# Altium PCB AUAV_X05.PcbDoc (part 1 of 5) (continued)
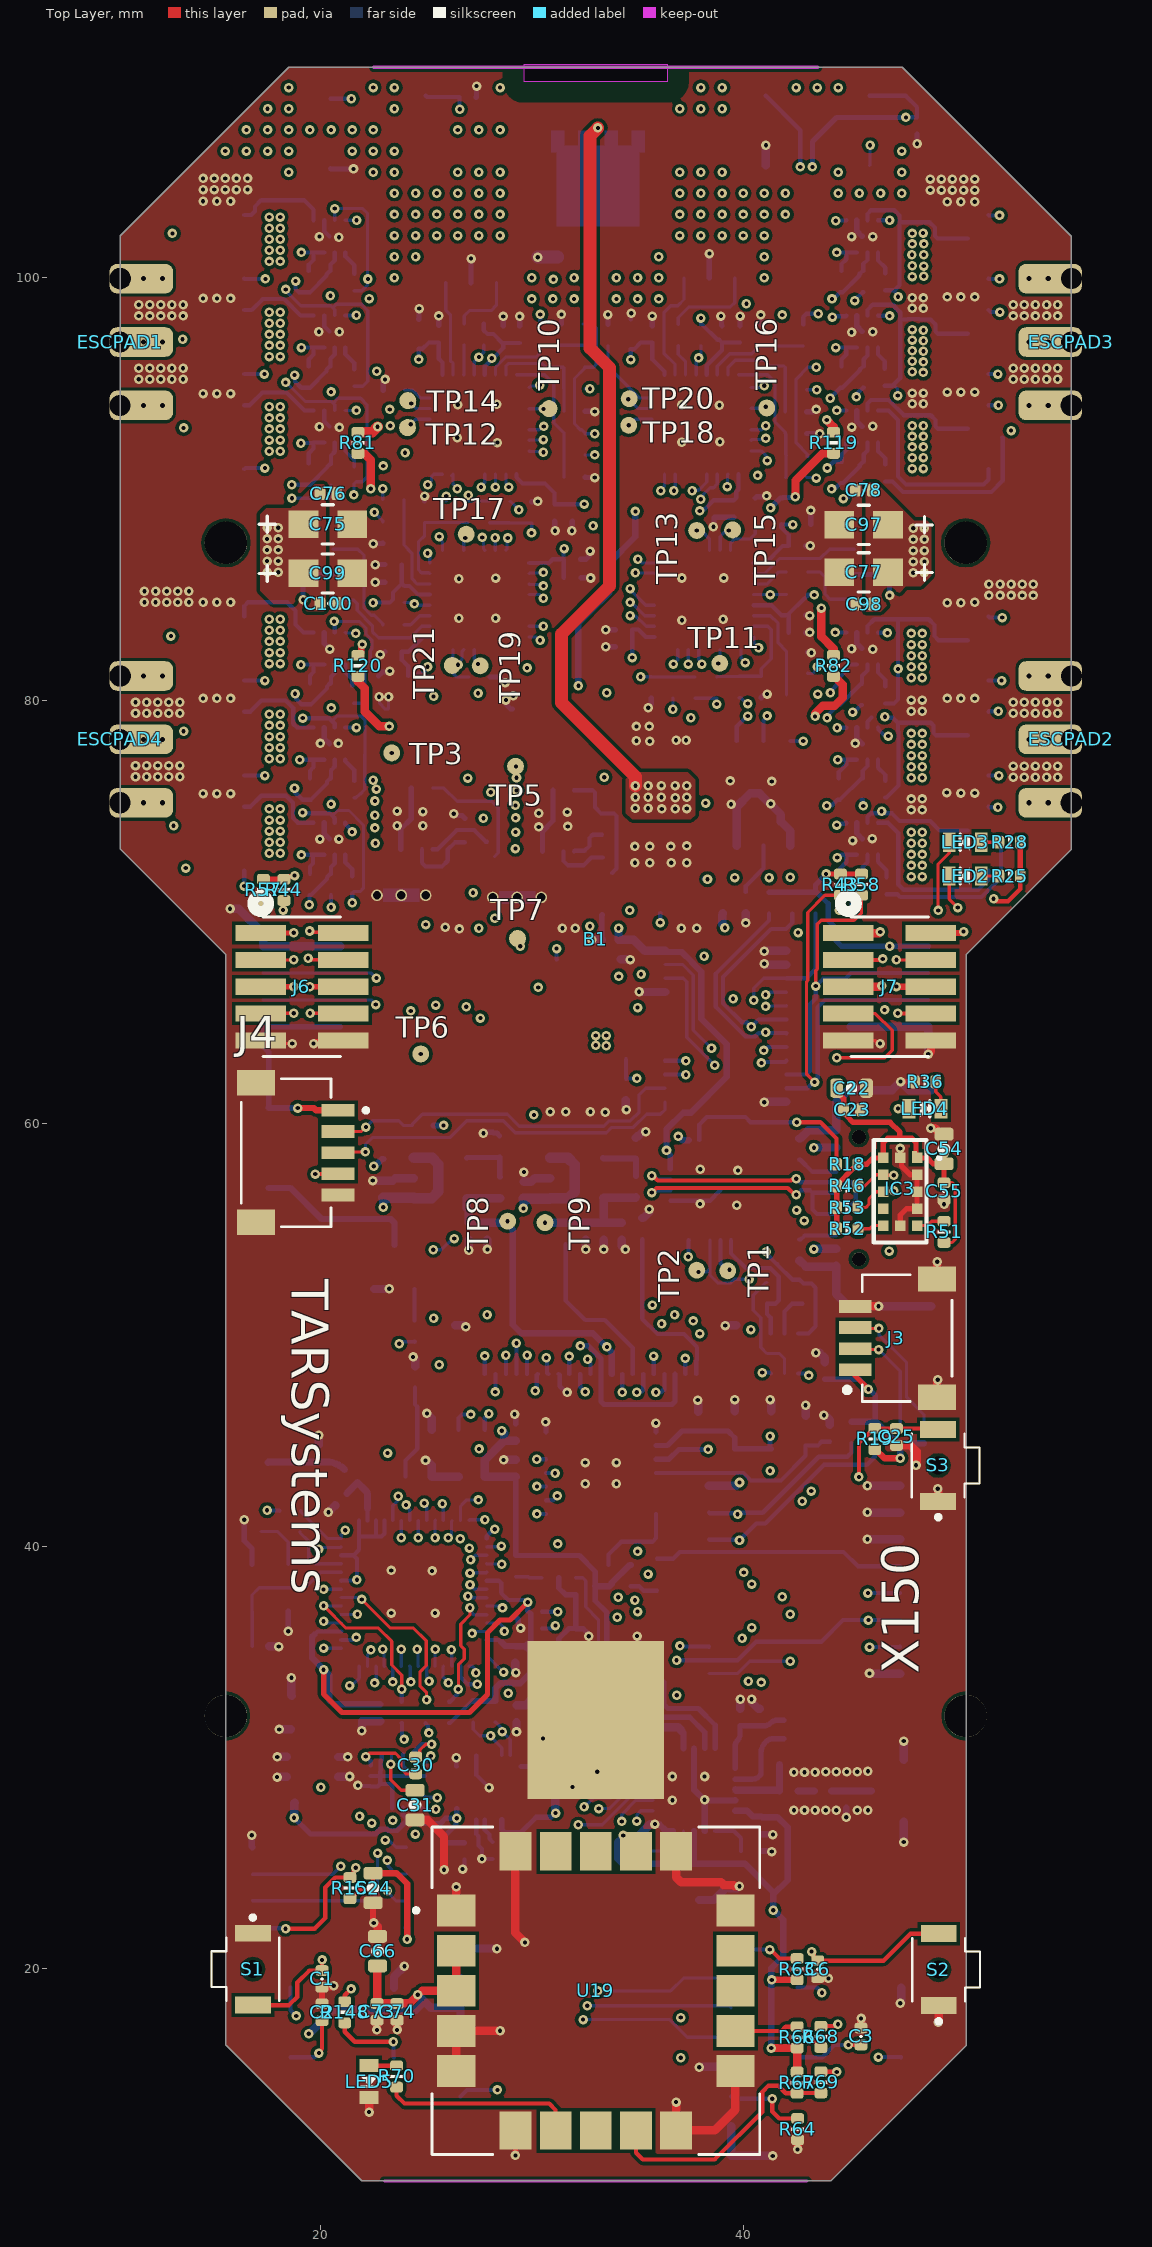
[diagram p0: Top Layer view]
## Components (designator, comment, footprint, x,y, rotation, side; value= is the part's Value field where it differs from the comment) (continued)
C58 "0.1µF" 0402-CAP 29.275,32.064 r90 bottom value=8p
C59 "1nF" 0402-CAP 40.9,26.775 r90 bottom value=8p
C60 "10µF" 0805-CAP 33.175,29.65 r90 bottom value=4u7
C61 "33nF" 0402-CAP 35.2,25.575 r0 bottom value=8p
C62 "2.2nF" 0402-CAP 40.775,31.9 r90 bottom value=8p
C63 "4.7pF" 0402-CAP 39.85,31.9 r90 bottom value=8p
C64 "1.5pF" 0402-CAP 43.775,28.425 r0 bottom value=8p
C65 "10pF" 0402-CAP 44.875,28.025 r270 bottom value=8p
C66 "4.7µF" 0603-CAP 22.7,20.839 r90 top value=2u2
C67 "10µF" 0805-CAP 41.325,45.488 r90 bottom value=4u7
C68 "10µF" 0805-CAP 39.6,45.488 r90 bottom value=4u7
C69 "10µF" 0805-CAP 37.875,45.464 r90 bottom value=4u7
C70 "0.1µF" 0402-CAP 29.245,45.383 r90 bottom value=8p
C71 "4.7µF" 0603-CAP 42.95,45.464 r90 bottom value=2u2
C72 "0.1µF" 0402-CAP 44.1,45.338 r90 bottom value=8p
C73 "1µF" 0402-CAP 22.675,17.963 r270 top value=8p
C74 "1µF" 0402-CAP 23.625,17.963 r270 top value=8p
C75 "CAP TANT 1206" CAPMP3.4X1.6_1.8 20.35,88.338 r0 top value=22uF
C76 "0.1µF" 0402-CAP 20.375,89.788 r0 top value=8p
C77 "CAP TANT 1206" CAPMP3.4X1.6_1.8 45.7,86.064 r180 top value=22uF
C78 "0.1µF" 0402-CAP 45.7,89.95 r180 top value=8p
C79 "0.1µF" 0402-CAP 21.6,99.788 r270 bottom value=8p
C80 "0.1µF" 0402-CAP 46.775,71.239 r270 bottom value=8p
C81 "4.7µF" 0603-CAP 24.65,97.344 r90 bottom value=2u2
C82 "0.1µF" 0402-CAP 25.6,97.344 r90 bottom value=8p
C83 "0.1µF" 0402-CAP 28.65,97.319 r90 bottom value=8p
C84 "0.1µF" 0402-CAP 29.425,97.319 r90 bottom value=8p
C85 "1nF" 0402-CAP 31.925,88.888 r270 bottom value=8p
C86 "1nF" 0402-CAP 31.075,88.888 r270 bottom value=8p
C87 "4.7µF" 0603-CAP 42.5,88.338 r0 bottom value=2u2
C88 "0.1µF" 0402-CAP 42.55,87.313 r0 bottom value=8p
C89 "0.1µF" 0402-CAP 42.55,84.038 r0 bottom value=8p
C90 "0.1µF" 0402-CAP 42.55,83.213 r0 bottom value=8p
C91 "1nF" 0402-CAP 34.35,82.538 r180 bottom value=8p
C92 "1nF" 0402-CAP 34.35,83.363 r180 bottom value=8p
C93 "0.1µF" 0402-CAP 21.6,95.275 r270 bottom value=8p
C94 "0.1µF" 0402-CAP 46.725,75.813 r270 bottom value=8p
C95 "0.1µF" 0402-CAP 21.6,90.663 r270 bottom value=8p
C96 "0.1µF" 0402-CAP 46.725,80.263 r270 bottom value=8p
C97 "CAP TANT 1206" CAPMP3.4X1.6_1.8 45.7,88.313 r180 top value=22uF
C98 "0.1µF" 0402-CAP 45.725,84.563 r180 top value=8p
C99 "CAP TANT 1206" CAPMP3.4X1.6_1.8 20.35,86.013 r0 top value=22uF
C100 "0.1µF" 0402-CAP 20.375,84.588 r0 top value=8p
C101 "0.1µF" 0402-CAP 46.725,90.763 r270 bottom value=8p
C102 "0.1µF" 0402-CAP 21.575,80.275 r270 bottom value=8p
C103 "4.7µF" 0603-CAP 34.675,97.338 r90 bottom value=2u2
C104 "0.1µF" 0402-CAP 38.65,89.075 r270 bottom value=8p
C105 "0.1µF" 0402-CAP 39,97.338 r90 bottom value=8p
C106 "0.1µF" 0402-CAP 39.85,97.338 r90 bottom value=8p
C107 "1nF" 0402-CAP 35.7,97.338 r90 bottom value=8p
C108 "1nF" 0402-CAP 39.55,89.075 r270 bottom value=8p
C109 "4.7µF" 0603-CAP 23.45,81.164 r180 bottom value=2u2
C110 "0.1µF" 0402-CAP 23.45,82.313 r180 bottom value=8p
C111 "0.1µF" 0402-CAP 23.45,85.588 r180 bottom value=8p
C112 "0.1µF" 0402-CAP 23.45,86.438 r180 bottom value=8p
C113 "1nF" 0402-CAP 31.9,86.688 r0 bottom value=8p
C114 "1nF" 0402-CAP 31.925,85.813 r0 bottom value=8p
C115 "0.1µF" 0402-CAP 46.7,95.3 r270 bottom value=8p
C116 "0.1µF" 0402-CAP 21.6,75.8 r270 bottom value=8p
C117 "0.1µF" 0402-CAP 46.725,99.813 r270 bottom value=8p
C118 "0.1µF" 0402-CAP 21.5,71.288 r270 bottom value=8p
D1 "PMEG3050BEP" PMEG3050EP115 28.55,64.263 r90 bottom
E1 "2450AT45A100E" ANT_2450AT45A100E 17.525,48.463 r90 bottom
ESCPAD1 "ESC Pads" ESCPADS 10.525,96.964 r0 top
ESCPAD2 "ESC Pads" ESCPADS 55.525,78.164 r180 top
ESCPAD3 "ESC Pads" ESCPADS 55.525,96.964 r180 top
ESCPAD4 "ESC Pads" ESCPADS 10.525,78.164 r0 top
F1 "0ZCG0200FF2C" 0ZCG_BEL 24.75,64.238 r90 bottom
FB1 "300R" "FER 0402_1005" 19.215,27.854 r0 bottom
FL1 "NFM21HC224R1A3D" FIL_NFM21HC224R1A3D 23.825,70.788 r90 bottom
FL2 "NFM21HC224R1A3D" FIL_NFM21HC224R1A3D 29.3,70.688 r90 bottom
IC1 "SGM2019-ADJYN5G-TR" SOT95P280X125-5N 25.675,57.413 r0 bottom
IC2 "SGM2019-ADJYN5G-TR" SOT95P280X125-5N 32.125,57.413 r0 bottom
IC3 "VL53L1X" VL53L1X 47.425,56.763 r0 top
IC4 "VL53L1X" VL53L1X 31.275,36.903 r0 bottom
J1 "USB4110-GF-A_REVB" GCT_USB4110-GF-A_REVB 45.475,56.463 r270 bottom
J2 "0512812494" "MOLEX 512812494" 33.025,49.963 r0 bottom
J3 "SM04B-SRSS-TB(LF)(SN)" JST_SM04B-SRSS-TB(LF)(SN) 45.3,49.839 r90 top locked
J4 "SM05B-SRSS-TB(LF)(SN)" JST_SM05B-SRSS-TB(LF)(SN) 16.95,58.613 r270 top
J5 "CONUFL001-SMD-T" LINX_CONUFL001-SMD-T 47.6,28.425 r90 bottom
J6 "20021121-00010C4" CONN_00010C4LF_A 19.125,66.463 r270 top
J7 "20021121-00010C4" CONN_00010C4LF_A 46.925,66.463 r270 top locked
L1 "2.7nH" INDC1005X65N 21.45,43.313 r315 bottom
L2 "LQM2HPN1R5MG0L" INDC2520X100N 26.025,78.661 r180 bottom
L3 "LQM2HPN1R5MG0L" INDC2520X100N 32.025,78.664 r180 bottom
L4 "2.7nH" INDC1005X65N 41.925,31.325 r90 bottom
L5 "8.2nH" INDC1005X65N 41.275,29.675 r180 bottom
L6 "3.9nH" INDC1005X65N 42.15,28.425 r180 bottom
LED1 "WHITE" 0603-LED 35.925,38.65 r270 bottom value=AMBER
LED2 "AMBER" 0603-LED 50.5,71.7 r0 top
LED3 "BLUE" 0603-LED 50.5,73.3 r0 top value=AMBER
LED4 "AMBER" 0603-LED 48.6,60.688 r180 top
LED5 "AMBER" 0603-LED 22.3,14.664 r90 top
LS1 "CSS-0575A-SMT-TR" "CUI CSS-0575A-SMT-TR" 19.3,58.839 r90 bottom
Q1 "BC847BDW1T3G" SOT65P210X110-6N 41.95,49.113 r90 bottom
Q2 "SQ2310ES-T1" SOT95P237X112-3N 23.5,53.214 r90 bottom
Q3 "SSM3J334R,LF_T" SOTFL95P240X88-3N 32.275,65.289 r270 bottom
Q4 "DMP2002UPS-13" TRANS_DMP2002UPS-13 33.125,103.663 r90 bottom
R1 "0R" 0402-RES 18.525,40.688 r0 bottom value=10K
R2 "10K" 0402-RES 36.075,70.45 r90 bottom
R4 "10K" 0402-RES 23.845,32.129 r90 bottom
R5 "10K" 0402-RES 24.965,32.119 r90 bottom
R6 "10K" 0402-RES 18.555,41.674 r0 bottom
R9 "10K" 0402-RES 27.225,32.175 r270 bottom
R10 "10K" 0402-RES 28.275,32.175 r270 bottom
R13 "330R" 0402-RES 34.675,38.6 r90 bottom value=10K
R14 "10K" 0402-RES 26.075,32.129 r90 bottom
R15 "10K" 0402-RES 21.392,23.825 r270 top
R16 "10K" 0402-RES 42.65,58.775 r90 bottom
R17 "5.1K" 0402-RES 42.65,54 r270 bottom value=10K
R18 "10K" 0402-RES 44.925,58.063 r180 top
R19 "10K" 0402-RES 46.225,45.063 r90 top
R20 "330R" 0402-RES 24.45,50.163 r90 bottom value=10K
R21 "10K" 0402-RES 41.125,51.964 r90 bottom
R22 "10K" 0402-RES 42.8,51.964 r90 bottom
R23 "10K" 0402-RES 24.475,47.988 r90 bottom
R24 "0.4R" 0402-RES 39.025,70.438 r270 bottom value=10K
R25 "330R" 0402-RES 52.6,71.7 r0 top value=10K
R26 "1M" 0402-RES 27.875,72.813 r90 bottom value=10K
R27 "1M" 0402-RES 26.825,72.786 r90 bottom value=10K
R28 "330R" 0402-RES 52.6,73.3 r0 top value=10K
R29 "1.2K" 0402-RES 40.125,70.438 r90 bottom value=10K
R30 "10K" 0402-RES 34.45,61.613 r270 bottom
R31 "10K" 0402-RES 34.45,63.538 r270 bottom
R32 "1M" 0402-RES 33.325,74.163 r270 bottom value=10K
R33 "1M" 0402-RES 33.35,72.064 r90 bottom value=10K
R34 "10K" 0402-RES 31.675,67.763 r0 bottom
R35 "1K" 0402-RES 33.7,67.763 r180 bottom value=10K
R36 "10K" 0402-RES 48.6,61.964 r0 top
R37 "34K" 0402-RES 28.5,56.963 r270 bottom value=10K
R38 "63.4K" 0402-RES 28.475,58.913 r270 bottom value=10K
R39 "10K" 0402-RES 31.6,54.788 r270 bottom
R40 "0R" 0402-RES 35.225,55.013 r90 bottom value=10K
R41 "63.4K" 0402-RES 34.925,57.014 r270 bottom value=10K
R42 "84.5K" 0402-RES 34.925,58.825 r270 bottom value=10K
R43 "4.7K" 0402-RES 44.6,71.3 r270 top value=10K
R44 "4.7K" 0402-RES 18.275,71.05 r270 top value=10K
R45 "4.7K" 0402-RES 41.225,70.438 r270 bottom value=10K
R46 "4.7K" 0402-RES 44.925,57.038 r0 top value=10K
R47 "4.7K" 0402-RES 46.25,45.388 r270 bottom value=10K
R48 "4.7K" 0402-RES 43.425,70.438 r270 bottom value=10K
R49 "4.7K" 0402-RES 24.85,59.9 r180 bottom value=10K
R50 "4.7K" 0402-RES 47.425,45.375 r90 bottom value=10K
R51 "4.7K" 0402-RES 49.5,54.863 r90 top value=10K
R52 "4.7K" 0402-RES 44.925,55.013 r0 top value=10K
R53 "4.7K" 0402-RES 44.925,56.013 r0 top value=10K
R54 "4.7K" 0402-RES 22.975,58.825 r270 bottom value=10K
R55 "4.7K" 0402-RES 42.325,70.438 r270 bottom value=10K
R56 "4.7K" 0402-RES 48.55,45.375 r270 bottom value=10K
R57 "4.7K" 0402-RES 17.3,71.05 r270 top value=10K
R58 "4.7K" 0402-RES 45.6,71.3 r270 top value=10K
R59 "4.7K" 0402-RES 45.125,45.388 r270 bottom value=10K
R60 "4.7K" 0402-RES 32.375,32.263 r90 bottom value=10K
R61 "4.7K" 0402-RES 29.235,39.054 r270 bottom value=10K
R62 "22K" 0402-RES 40.4,25.575 r180 bottom value=10K
R63 "100K" 0402-RES 42.55,19.988 r270 top value=10K
R64 "100K" 0402-RES 42.575,12.414 r90 top value=10K
R65 "47K" 0402-RES 33.625,38.6 r90 bottom value=10K
R66 "2.2K" 0402-RES 42.55,16.763 r270 top value=10K
R67 "2.2K" 0402-RES 42.55,14.614 r90 top value=10K
R68 "0R" 0402-RES 43.675,16.789 r270 top value=10K
R69 "0R" 0402-RES 43.675,14.639 r270 top value=10K
R70 "1K" 0402-RES 23.6,14.914 r270 top value=10K
R71 "220R" 0402-RES 26.8,97.319 r90 bottom value=10K
R72 "220R" 0402-RES 42.55,86.088 r0 bottom value=10K
R73 "10K" 0402-RES 27.725,97.319 r90 bottom
R74 "10K" 0402-RES 42.55,85.013 r0 bottom
R75 "2K2" 0402-RES 19.45,99.813 r90 bottom value=10K
R76 "2K2" 0402-RES 44.575,71.239 r90 bottom value=10K
R77 "10K" 0402-RES 23.475,94.688 r180 bottom
R78 "10K" 0402-RES 40.575,89.075 r90 bottom
R79 "2K2" 0402-RES 20.475,99.813 r90 bottom value=10K
R80 "2K2" 0402-RES 45.65,71.264 r90 bottom value=10K
R81 "0R" 0402-RES 21.775,92.2 r270 top value=10K
R82 "0R" 0402-RES 44.275,81.65 r270 top value=10K
R83 "2K2" 0402-RES 19.45,95.3 r90 bottom value=10K
R84 "2K2" 0402-RES 44.525,75.813 r90 bottom value=10K
R85 "2K2" 0402-RES 20.475,95.3 r90 bottom value=10K
R86 "2K2" 0402-RES 45.65,75.813 r90 bottom value=10K
R87 "15K" 0402-RES 30.4,97.313 r270 bottom value=10K
R88 "2K2" 0402-RES 42.55,80.263 r180 bottom value=10K
R89 "15K" 0402-RES 32.025,94.738 r180 bottom value=10K
R90 "2K2" 0402-RES 39.8,80.638 r90 bottom value=10K
R91 "2K2" 0402-RES 19.45,90.713 r90 bottom value=10K
R92 "2K2" 0402-RES 44.525,80.289 r90 bottom value=10K
R93 "15K" 0402-RES 32.025,91.619 r180 bottom value=10K
R94 "2K2" 0402-RES 36.675,80.613 r90 bottom value=10K
R95 "2K2" 0402-RES 20.5,90.689 r90 bottom value=10K
R96 "2K2" 0402-RES 45.625,80.289 r90 bottom value=10K
R97 "2K2" 0402-RES 31.4,97.313 r270 bottom value=10K
R98 "2K2" 0402-RES 32.425,97.313 r270 bottom value=10K
R99 "2K2" 0402-RES 32,95.769 r180 bottom value=10K
R100 "2K2" 0402-RES 32.025,93.688 r180 bottom value=10K
R101 "2K2" 0402-RES 32.025,90.563 r180 bottom value=10K
R102 "2K2" 0402-RES 32.025,92.619 r180 bottom value=10K
R103 "2K2" 0402-RES 42.55,82.288 r180 bottom value=10K
R104 "2K2" 0402-RES 42.55,81.288 r180 bottom value=10K
R105 "2K2" 0402-RES 38.75,80.613 r90 bottom value=10K
R106 "2K2" 0402-RES 40.85,80.638 r90 bottom value=10K
R107 "2K2" 0402-RES 35.65,80.613 r90 bottom value=10K
R108 "2K2" 0402-RES 37.725,80.613 r90 bottom value=10K
R109 "220R" 0402-RES 36.925,97.288 r90 bottom value=10K
R110 "220R" 0402-RES 23.45,83.588 r180 bottom value=10K
R111 "10K" 0402-RES 38,97.288 r90 bottom
R112 "10K" 0402-RES 23.45,84.638 r180 bottom
R113 "2K2" 0402-RES 44.675,90.789 r90 bottom value=10K
R114 "2K2" 0402-RES 19.5,80.313 r90 bottom value=10K
R115 "10K" 0402-RES 33.6,97.3 r90 bottom
R116 "10K" 0402-RES 27.525,81.114 r0 bottom
R117 "2K2" 0402-RES 45.7,90.789 r90 bottom value=10K
R118 "2K2" 0402-RES 20.5,80.313 r90 bottom value=10K
R119 "0R" 0402-RES 44.275,92.2 r270 top value=10K
R120 "0R" 0402-RES 21.775,81.65 r270 top value=10K
R121 "2K2" 0402-RES 44.65,95.3 r90 bottom value=10K
R122 "2K2" 0402-RES 19.5,75.813 r90 bottom value=10K
R123 "2K2" 0402-RES 45.7,95.3 r90 bottom value=10K
R124 "2K2" 0402-RES 20.5,75.813 r90 bottom value=10K
R125 "2K2" 0402-RES 42.85,97.288 r270 bottom value=10K
R126 "2K2" 0402-RES 23.45,88.463 r0 bottom value=10K
R127 "2K2" 0402-RES 42.5,94.713 r180 bottom value=10K
R128 "2K2" 0402-RES 25.95,88.938 r270 bottom value=10K
R129 "2K2" 0402-RES 44.65,99.813 r90 bottom value=10K
R130 "2K2" 0402-RES 42.5,90.575 r180 bottom value=10K
R131 "2K2" 0402-RES 19.5,71.3 r90 bottom value=10K
R132 "2K2" 0402-RES 28.975,88.914 r270 bottom value=10K
R133 "2K2" 0402-RES 45.675,99.813 r90 bottom value=10K
R134 "2K2" 0402-RES 20.5,71.288 r90 bottom value=10K
R135 "2K2" 0402-RES 40.825,97.288 r270 bottom value=10K
R136 "2K2" 0402-RES 41.825,97.288 r270 bottom value=10K
R137 "2K2" 0402-RES 42.5,95.763 r180 bottom value=10K
R138 "2K2" 0402-RES 42.5,93.663 r180 bottom value=10K
R139 "2K2" 0402-RES 42.5,92.638 r180 bottom value=10K
R140 "2K2" 0402-RES 42.5,91.575 r180 bottom value=10K
R141 "2K2" 0402-RES 23.45,87.438 r0 bottom value=10K
R142 "2K2" 0402-RES 23.45,89.513 r0 bottom value=10K
R143 "2K2" 0402-RES 26.975,88.938 r270 bottom value=10K
R144 "2K2" 0402-RES 24.925,88.938 r270 bottom value=10K
R145 "2K2" 0402-RES 30,88.914 r270 bottom value=10K
R146 "2K2" 0402-RES 28,88.938 r270 bottom value=10K
R148 "470R" 0402-RES 21.15,17.95 r270 top value=10K
S1 "B3U-3000P-B" B3U3000PB 16.8,19.983 r90 top
S2 "B3U-3000P-B" B3U3000PB 49.25,19.963 r270 top
S3 "B3U-3000P-B" B3U3000PB 49.225,43.813 r270 top
TFP1 "ToF  Solder Pads" "ToF Pads" 19.125,66.463 r180 bottom
TFP2 "ToF  Solder Pads" "ToF Pads" 46.925,66.463 r180 bottom
TP1 "TP" SMT_PAD 39.265,53.024 r90 top
TP2 "TP" SMT_PAD 37.805,53.054 r90 top
TP3 "TP" SMT_PAD 23.375,77.525 r90 top
TP5 "TP" SMT_PAD 29.229,76.888 r90 top
TP6 "TP" SMT_PAD 24.745,63.284 r90 top
TP7 "TP" SMT_PAD 29.325,68.743 r90 top
TP8 "TP" SMT_PAD 28.855,55.373 r90 top
TP9 "TP" SMT_PAD 30.625,55.303 r90 top
TP10 "TP" SMT_PAD 30.815,93.814 r90 top
TP11 "TP" SMT_PAD 38.895,81.763 r90 top
TP12 "TP" SMT_PAD 24.115,92.913 r90 top
TP13 "TP" SMT_PAD 37.8,88.05 r90 top
TP14 "TP" SMT_PAD 24.135,94.193 r90 top
TP15 "TP" SMT_PAD 39.5,88.075 r90 top
TP16 "TP" SMT_PAD 41.115,93.844 r90 top
TP17 "TP" SMT_PAD 26.895,87.873 r90 top
TP18 "TP" SMT_PAD 34.585,93.023 r90 top
TP19 "TP" SMT_PAD 27.555,81.643 r90 top
TP20 "TP" SMT_PAD 34.605,94.283 r90 top
TP21 "TP" SMT_PAD 26.235,81.663 r90 top
U1 "ESP32-S2" QFN40P700X700X90-57T400N 24.425,37.763 r270 bottom
U2 "WS2812B-B" LED_WS2812B-B 21.03,17.464 r0 bottom
U3 "WS2812B-B" LED_WS2812B-B 45.02,17.464 r0 bottom
U4 "WS2812B-B" LED_WS2812B-B 22.53,106.964 r180 bottom
U5 "WS2812B-B" LED_WS2812B-B 43.52,106.964 r180 bottom
U6 "PCA9534ADWR" DW16 42.9,38.413 r180 bottom
U7 "W25Q128JVSIQ" SOIC_128JVSIQ_WI 20.425,23.85 r0 bottom
U8 "CP2102-GM" QFN50P500X500X100-29N 38.925,56.838 r0 bottom
U9 "MMC5983" MMC5983 23.65,28.875 r90 bottom
U10 "MPU9250/6500" QFN24_3X3X1_IVS 27.975,28.575 r180 bottom
U11 "MS5611" MS5611-01BA 25.9,44.388 r90 bottom
U12 "ADP2504ACPZ-5.0-" CP_10_9_ADI 24.3,74.414 r270 bottom
U13 "TP4056" SOP127P600X175-9N 40.33,75.614 r90 bottom
U14 "ADP2504ACPZ-3.3-" CP_10_9_ADI 31,74.313 r270 bottom
U15 "TCA9548APWR" SOP65P640X120-24N 39.175,64.588 r180 bottom
U16 "NRF24L01" QFN50P400X400X95-21N 37.675,28.475 r0 bottom
U17 "DWM1000" XCVR_DWM1000 33.025,12.963 r0 bottom
U18 "PMW3901MB-TXQT" QFN_01MB-TXQT_PI 33.275,43.463 r180 bottom
U19 "SAM-M8Q-0-10" MODULE_SAM-M8Q-0-10 33.025,18.964 r0 top
U20 "STM32F031K6U6" UFQFPN32-5X5MM 27.525,93.063 r270 bottom
U21 "STM32F031K6U6" UFQFPN32-5X5MM 38.15,84.763 r180 bottom
U22 "SIZ340ADT-T1-GE3" MOSFET_DT-T1-GE3 15.425,101.464 r90 bottom
U23 "SIZ340ADT-T1-GE3" MOSFET_DT-T1-GE3 50.625,73.463 r90 bottom
U24 "NCP81253MNTBG" DFN8_2X2_ONS-L 20.425,101.963 r90 bottom value=ISL6208BCRZ-TCT-
U25 "NCP81253MNTBG" DFN8_2X2_ONS-L 45.625,73.464 r90 bottom value=ISL6208BCRZ-TCT-
U26 "SIZ340ADT-T1-GE3" MOSFET_DT-T1-GE3 15.425,96.964 r90 bottom
U27 "SIZ340ADT-T1-GE3" MOSFET_DT-T1-GE3 50.625,77.964 r90 bottom
U28 "NCP81253MNTBG" DFN8_2X2_ONS-L 20.425,97.463 r90 bottom value=ISL6208BCRZ-TCT-
U29 "NCP81253MNTBG" DFN8_2X2_ONS-L 45.625,77.963 r90 bottom value=ISL6208BCRZ-TCT-
U30 "SIZ340ADT-T1-GE3" MOSFET_DT-T1-GE3 15.425,92.464 r90 bottom
U31 "SIZ340ADT-T1-GE3" MOSFET_DT-T1-GE3 50.625,82.463 r90 bottom
U32 "NCP81253MNTBG" DFN8_2X2_ONS-L 20.425,92.963 r90 bottom value=ISL6208BCRZ-TCT-
U33 "NCP81253MNTBG" DFN8_2X2_ONS-L 45.625,82.464 r90 bottom value=ISL6208BCRZ-TCT-
U34 "STM32F031K6U6" UFQFPN32-5X5MM 38.025,93.063 r270 bottom
U35 "SIZ340ADT-T1-GE3" MOSFET_DT-T1-GE3 50.625,92.464 r90 bottom
U36 "STM32F031K6U6" UFQFPN32-5X5MM 27.525,84.763 r0 bottom
U37 "SIZ340ADT-T1-GE3" MOSFET_DT-T1-GE3 15.425,82.463 r90 bottom
U38 "NCP81253MNTBG" DFN8_2X2_ONS-L 45.625,92.963 r90 bottom value=ISL6208BCRZ-TCT-
U39 "NCP81253MNTBG" DFN8_2X2_ONS-L 20.425,82.464 r90 bottom value=ISL6208BCRZ-TCT-
U40 "SIZ340ADT-T1-GE3" MOSFET_DT-T1-GE3 50.625,96.963 r90 bottom
U41 "SIZ340ADT-T1-GE3" MOSFET_DT-T1-GE3 15.425,77.964 r90 bottom
U42 "NCP81253MNTBG" DFN8_2X2_ONS-L 45.625,97.463 r90 bottom value=ISL6208BCRZ-TCT-
U43 "NCP81253MNTBG" DFN8_2X2_ONS-L 20.425,77.963 r90 bottom value=ISL6208BCRZ-TCT-
U44 "SIZ340ADT-T1-GE3" MOSFET_DT-T1-GE3 50.625,101.464 r90 bottom
U45 "SIZ340ADT-T1-GE3" MOSFET_DT-T1-GE3 15.425,73.463 r90 bottom
U46 "NCP81253MNTBG" DFN8_2X2_ONS-L 45.625,101.963 r90 bottom value=ISL6208BCRZ-TCT-
U47 "NCP81253MNTBG" DFN8_2X2_ONS-L 20.425,73.464 r90 bottom value=ISL6208BCRZ-TCT-
X1 "Crystal Oscillator in 3.2x2.5 SMD" OSCILLATOR-3.2X2.5 17.625,38.038 r270 bottom value=24MHz
Y1 "CSTNE16M0V530000R0" OSC_CSTNE16M0V530000R0 35.05,33.575 r0 bottom
Y2 "CSTNE8M00G550000R0" OSC_CSTNE8M00G550000R0 27.125,99.763 r180 bottom
Y3 "CSTNE8M00G550000R0" OSC_CSTNE8M00G550000R0 45.25,85.963 r90 bottom
Y4 "CSTNE8M00G550000R0" OSC_CSTNE8M00G550000R0 38.4,99.988 r180 bottom
Y5 "CSTNE8M00G550000R0" OSC_CSTNE8M00G550000R0 20.6,85.963 r270 bottom

## Footprints (in the part's own frame and the unit in brackets; to place one, negate y for a bottom-side part, rotate by r counter-clockwise, add the part's x,y. Pads: shape width x height; smd on the part's side, far side on the other; paste and mask are expansions set on the pad)
0ZCG_BEL [mil]
  rect 70x138 smd: 1(-103,0) 2(103,0)
  silkscreen extent -55,-72 55,72, body extent -92,-67 94,67, height 61
0402-CAP [mil]
  rrect50% 20x24 smd mask+0: P$1(-15.75,0) P$2(15.75,0)
  silkscreen extent 0,0 0,1, body extent -20,-10 20,10, height 20
0402-RES [mil] "0402-RES"
  rrect50% 20x24 smd: P$1(-19.69,0) P$2(20,0)
  silkscreen extent -3,-12 3,12, body extent -20,-10 20,10, height 20
0603-CAP [mil] "0603-CAP"
  rrect50% 24x36 smd mask+0: P$1(-27.56,0) P$2(27.56,0)
  silkscreen extent 0,-2 0,2, body extent -31,-16 31,16, height 34
0603-LED [mil] "0603-LED"
  rect 24x36 smd: A(30,0) C(-29.53,0)
  silkscreen extent -9,-15 9,15, body extent -33,-18 33,18, height 35
0805-CAP [mil]
  rrect50% 28x52 smd mask+0: P$1(-35,0) P$2(35,0)
  silkscreen extent 0,-2 0,2, body extent -39,-25 39,25, height 31
1042P_KEY [mil]
  rect 294x255 smd: 1(-1562.5,0)
  rect 274.33x255 smd far side: 2(1345.98,0)
  body extent -1701,-406 1510,407, height 727
ANT_2450AT45A100E [mm]
  rect 1.5x1.8 smd: 1(-4.5,0) 2(4.5,0)
  silkscreen extent -5.9,-1.1 3.2,1.1, body extent -4.75,-1 4.75,1, height 1.3
B3U3000PB [mm]
  rect 0.8x1.7 smd: 1(1.7,0) 2(-1.7,0)
  round 0.425 hole 0.85 unplated: 3(0,0)
  silkscreen extent -1.5,-1.25 2.54,1.95, body extent -2,-1.25 2,1.95, height 1.2
CAPMP3.4X1.6_1.8 [mm]
  rect 1.405x1.3 smd: 1(-1.15,0) 2(1.15,0)
  silkscreen extent -3.25,-0.93 0.26,0.93, body extent -1.7,-0.9 1.7,0.9, height 1.81
CONN_00010C4LF_A [mil]
  rect 30x94 smd: 1(-100,-76.77) 2(-100,76.77) 3(-50,-76.77) 4(-50,76.77) 5(0,-76.77) 6(0,76.77) 7(50,-76.77) 8(50,76.77) 9(100,-76.77) 10(100,76.77)
  silkscreen extent -170,-92 130,72, body extent -125,-108 125,108, height 177
CP_10_9_ADI [mil]
  rect 32x10 smd: 1(-57,39.37) 2(-57,19.69) 3(-57,0) 4(-57,-19.68) 5(-57,-39.37) 6(57,-39.37) 7(57,-19.68) 8(57,0) 9(57,19.69) 10(57,39.37)
  rect 69x98 smd: 11(0,0)
  silkscreen extent -90,-66 66,66, body extent -61,-61 61,61, height 31
"CUI CSS-0575A-SMT-TR" [mm]
  rect 2.1x1.7 smd: +(-1.9,-1.75) -(1.9,-1.75) NC(-1.892,1.754)
  silkscreen extent -2.5,-2.5 2.5,2.5, body extent -2.5,-2.5 2.5,2.5, height 2
DFN8_2X2_ONS-L [mil]
  rect 15x10 smd: 1(-29.87,29.53) 2(-29.87,9.84) 3(-29.87,-9.84) 4(-29.87,-29.53) 5(29.87,-29.53) 6(29.87,-9.84) 7(29.87,9.84) 8(29.87,29.53)
  rect 34x51 smd: 9(0,0)
  silkscreen extent -60,-44 14,44, body extent -39,-39 39,39, height 39
DW16 [mil]
  rect 91x22 smd: 1(-178,175) 2(-178,125) 3(-178,75) 4(-178,25) 5(-178,-25) 6(-178,-75) 7(-178,-125) 8(-178,-175) 9(178,-175) 10(178,-125) 11(178,-75) 12(178,-25) 13(178,25) 14(178,75) 15(178,125) 16(178,175)
  silkscreen extent -150,-207 150,207, body extent -203,-203 203,203, height 102
ESCPADS [mm]
  rrect50% 3x1.4 hole 1 copper offset 1,0: 1(0,3) 2(0,0) 3(0,-3)
"FER 0402_1005" [mm]
  rect 0.6x0.64 smd: 1(-0.44,0) 2(0.44,0)
  silkscreen extent -1,-0.5 1,0.5, body extent -0.5,-0.26 0.5,0.26, height 0.52
FIL_NFM21HC224R1A3D [mm]
  rect 0.6x0.8 smd mask+0: 1(-1,0) 3(1,0)
  rect 0.6x0.65 smd mask+0: 2(0,0.625) 2_1(0,-0.625)
  round 0.55 hole 0.4 mask+0: 2_2(0,1.15) 2_3(0,0) 2_4(0,-1.15)
  Top Layer region: 0.3,-0.85 -0.3,-0.85 -0.3,0.85 0.3,0.85
  silkscreen extent -1.95,-0.1 -1.75,0.1, body extent -1,-0.62 1,0.63, height 0.95
GCT_USB4110-GF-A_REVB [mm]
  rect 0.6x1.15 smd: A1/B12(-3.2,1.075) A4/B9(-2.4,1.075) B1/A12(3.2,1.075) B4/A9(2.4,1.075)
  rect 0.3x1.15 smd: A5(-1.25,1.075) A6(-0.25,1.075) A7(0.25,1.075) A8(1.25,1.075) B5(1.75,1.075) B6(0.75,1.075) B7(-0.75,1.075) B8(-1.75,1.075)
  rect 2.18x2 smd: S1(-5.11,0.5) S2(5.11,0.5) S3(-5.11,-3.43) S4(5.11,-3.43)
  round 0.65 hole 0.65 unplated: ""(-2.89,0) ""(2.89,0)
  silkscreen extent -4.47,-6.28 4.47,2.33, body extent -5.65,-6.27 5.65,1.41, height 3.26
INDC1005X65N [mm]
  rrect50% 0.6x0.67 smd: 1(-0.437,0) 2(0.437,0)
  body extent -0.5,-0.25 0.5,0.25, height 0.49
INDC2520X100N [mm]
  rect 1.24x2.22 smd: 1(-1.09,0) 2(1.09,0)
  silkscreen extent -0.15,-1.1 0.15,1.1, body extent -1.25,-1 1.25,1, height 1
JST_SM04B-SRSS-TB(LF)(SN) [mm]
  rect 0.6x1.55 smd: 1(-1.5,0) 2(-0.5,0) 3(0.5,0) 4(1.5,0)
  rect 1.2x1.8 smd: S1(-2.8,-3.875) S2(2.8,-3.875)
  silkscreen extent -3,-4.57 3,0.48, body extent -2.97,-4.59 3.03,0.36, height 2.94
JST_SM05B-SRSS-TB(LF)(SN) [mm]
  rect 0.6x1.55 smd: 1(-2,3.875) 2(-1,3.875) 3(0,3.875) 4(1,3.875) 5(2,3.875)
  rect 1.2x1.8 smd: S1(-3.3,0) S2(3.3,0)
  silkscreen extent -3.5,-0.7 3.5,5.3, body extent -3.5,-0.75 3.5,4.2, height 2.95
LED_WS2812B-B [mm]
  rect 1.5x0.9 smd: 1(-2.45,1.65) 2(-2.45,-1.65) 3(2.45,-1.65) 4(2.45,1.65)
  silkscreen extent -4.07,-2.5 2.5,2.5, body extent -2.7,-2.5 2.7,2.5, height 1.62
LINX_CONUFL001-SMD-T [mm]
  rect 1x1.05 smd: 1(0,-1.525)
  rect 1.05x2.2 smd: 2(-1.475,0) 3(1.475,0)
  silkscreen extent -1.3,-2.7 1.3,1.42, body extent -1.5,-1.55 1.5,1.55, height 1.3
MMC5983 [mil] "HMC5983"
  rect 18x12 smd: 1(-50.2,30) 2(-50.2,10) 3(-50.2,-9.84) 4(-50.2,-29.53) 9(51,-29.53) 10(51,-9.84) 11(51,10) 12(51,30)
  rect 12x18 smd: 5(-29.53,-50.2) 6(-9.84,-50.2) 7(10,-50.2) 8(30,-50.2) 13(30,51) 14(10,51) 15(-9.84,51) 16(-29.53,51)
  silkscreen extent -65,-65 65,65, body extent -59,-59 61,61, height 35
MODULE_SAM-M8Q-0-10 [mm]
  rect 1.8x1.5 smd paste-2 mask+0: 1(-6.6,3.8) 2(-6.6,1.9) 3(-6.6,0) 4(-6.6,-1.9) 5(-6.6,-3.8) 11(6.6,-3.8) 12(6.6,-1.9) 13(6.6,0) 14(6.6,1.9) 15(6.6,3.8)
  rect 1.5x1.8 smd paste-2 mask+0: 6(-3.8,-6.6) 7(-1.9,-6.6) 8(0,-6.6) 9(1.9,-6.6) 10(3.8,-6.6) 16(3.8,6.6) 17(1.9,6.6) 18(0,6.6) 19(-1.9,6.6) 20(-3.8,6.6)
  silkscreen extent -8.6,-7.75 7.75,7.75, body extent -7.75,-7.75 7.75,7.75, height 6.3
"MOLEX 512812494" [mm]
  rect 0.35x0.8 smd: 1(-5.75,1.825) 2(-5.25,1.825) 3(-4.75,1.825) 4(-4.25,1.825) 5(-3.75,1.825) 6(-3.25,1.825) 7(-2.75,1.825) 8(-2.25,1.825) 9(-1.75,1.825) 10(-1.25,1.825) 11(-0.75,1.825) 12(-0.25,1.825) 13(0.25,1.825) 14(0.75,1.825) 15(1.25,1.825) 16(1.75,1.825) 17(2.25,1.825) 18(2.75,1.825) 19(3.25,1.825) 20(3.75,1.825) 21(4.25,1.825) 22(4.75,1.825) 23(5.25,1.825) 24(5.75,1.825)
  rect 0.6x2.6 smd: S(-6.65,-0.475) S(6.65,-0.475)
  silkscreen extent -7,-2.02 7,2.5, body extent -7.05,-2.03 7.05,2.02, height 1.2
MOSFET_DT-T1-GE3 [mil]
  rect 27x16 smd: 1(-59.5,38.38) 2(-59.5,12.79) 3(-59.5,-12.79) 4(-59.5,-38.38) 5(59.5,-38.38) 6(59.5,-12.79) 7(59.5,12.79) 8(59.5,38.38)
  rect 41x96 smd: 9(15.5,0)
  rect 22x96 smd: 10(-29.78,0)
  silkscreen extent -66,-66 66,66, body extent -65,-65 65,65, height 31
MS5611-01BA [mil] "MS5611-01BA"
  rect 44x24 smd: 1(-43.31,74) 2(-43.31,25) 3(-43.31,-24.61) 4(-43.31,-73.82) 5(44,-73.82) 6(44,-24.61) 7(44,25) 8(44,74)
  silkscreen extent -69,-108 69,109, body extent -59,-98 59,99, height 39
OSC_CSTNE8M00G550000R0 [mm]
  rect 0.4x1.9 smd: 1(-1.2,0) 2(0,0) 3(1.2,0)
  silkscreen extent -2.32,-0.65 1.72,0.65, body extent -1.6,-0.65 1.6,0.65, height 0.8
OSC_CSTNE16M0V530000R0 [mm]
  rect 0.4x1.9 smd: 1(-1.2,0) 2(0,0) 3(1.2,0)
  silkscreen extent -2.32,-0.65 1.72,0.65, body extent -1.6,-0.65 1.6,0.65, height 1
OSCILLATOR-3.2X2.5 [mil] "OSCILLATOR-3.2X2.5"
  rect 56x48 smd: 1(-43.31,-33.46) 2(44,-33.46) 3(44,34) 4(-43.31,34)
  silkscreen extent -95,-83 83,71, body extent -63,-49 63,49, height 31
PMEG3050EP115 [mm]
  rect 1.4x2.1 smd: 1(-2.2,0) 2(2.2,0)
  silkscreen extent -3.5,-1.25 1.9,1.25, body extent -2.37,-1.3 2.33,1.3, height 1.07
QFN24_3X3X1_IVS [mil]
  rect 26x8 smd: 1(-60,39.37) 2(-60,23.62) 3(-60,7.87) 4(-60,-7.87) 5(-60,-23.62) 6(-60,-39.37) 13(60,-39.37) 14(60,-23.62) 15(60,-7.87) 16(60,7.87) 17(60,23.62) 18(60,39.37)
  rect 8x26 smd: 7(-39.37,-60) 8(-23.62,-60) 9(-7.87,-60) 10(7.87,-60) 11(23.62,-60) 12(39.37,-60) 19(39.37,60) 20(23.62,60) 21(7.87,60) 22(-7.87,60) 23(-23.62,60) 24(-39.37,60)
  rect 69x63 smd: 25(0,0)
  silkscreen extent -66,-66 66,66, body extent -61,-61 61,61, height 43
QFN40P700X700X90-57T400N [mm]
  rect 0.81x0.22 smd: 1(-3.445,2.6) 2(-3.445,2.2) 3(-3.445,1.8) 4(-3.445,1.4) 5(-3.445,1) 6(-3.445,0.6) 7(-3.445,0.2) 8(-3.445,-0.2) 9(-3.445,-0.6) 10(-3.445,-1) 11(-3.445,-1.4) 12(-3.445,-1.8) 13(-3.445,-2.2) 14(-3.445,-2.6) 29(3.445,-2.6) 30(3.445,-2.2) 31(3.445,-1.8) 32(3.445,-1.4) 33(3.445,-1) 34(3.445,-0.6) 35(3.445,-0.2) 36(3.445,0.2) 37(3.445,0.6) 38(3.445,1) 39(3.445,1.4) 40(3.445,1.8) 41(3.445,2.2) 42(3.445,2.6)
  rect 0.22x0.81 smd: 15(-2.6,-3.445) 16(-2.2,-3.445) 17(-1.8,-3.445) 18(-1.4,-3.445) 19(-1,-3.445) 20(-0.6,-3.445) 21(-0.2,-3.445) 22(0.2,-3.445) 23(0.6,-3.445) 24(1,-3.445) 25(1.4,-3.445) 26(1.8,-3.445) 27(2.2,-3.445) 28(2.6,-3.445) 43(2.6,3.445) 44(2.2,3.445) 45(1.8,3.445) 46(1.4,3.445) 47(1,3.445) 48(0.6,3.445) 49(0.2,3.445) 50(-0.2,3.445) 51(-0.6,3.445) 52(-1,3.445) 53(-1.4,3.445) 54(-1.8,3.445) 55(-2.2,3.445) 56(-2.6,3.445)
  rect 4x4 smd: 57(0,0)
  silkscreen extent -4.25,-3.5 3.5,3.5, body extent -3.5,-3.5 3.5,3.5, height 0.9
QFN50P400X400X95-21N [mm]
  rrect25% 0.81x0.26 smd: 1(-1.95,1) 2(-1.95,0.5) 3(-1.95,0) 4(-1.95,-0.5) 5(-1.95,-1) 11(1.95,-1) 12(1.95,-0.5) 13(1.95,0) 14(1.95,0.5) 15(1.95,1)
  rrect25% 0.26x0.81 smd: 6(-1,-1.95) 7(-0.5,-1.95) 8(0,-1.95) 9(0.5,-1.95) 10(1,-1.95) 16(1,1.95) 17(0.5,1.95) 18(0,1.95) 19(-0.5,1.95) 20(-1,1.95)
  rect 2.6x2.6 smd paste-2: 21(0,0)
  silkscreen extent -2.86,-2 2,2, body extent -2,-2 2,2, height 0.95
QFN50P500X500X100-29N [mm]
  rrect50% 0.97x0.26 smd: 1(-2.37,1.5) 2(-2.37,1) 3(-2.37,0.5) 4(-2.37,0) 5(-2.37,-0.5) 6(-2.37,-1) 7(-2.37,-1.5) 15(2.37,-1.5) 16(2.37,-1) 17(2.37,-0.5) 18(2.37,0) 19(2.37,0.5) 20(2.37,1) 21(2.37,1.5)
  rrect50% 0.26x0.97 smd: 8(-1.5,-2.37) 9(-1,-2.37) 10(-0.5,-2.37) 11(0,-2.37) 12(0.5,-2.37) 13(1,-2.37) 14(1.5,-2.37) 22(1.5,2.37) 23(1,2.37) 24(0.5,2.37) 25(0,2.37) 26(-0.5,2.37) 27(-1,2.37) 28(-1.5,2.37)
  rect 3.15x3.15 smd paste-3: 29(0,0)
  silkscreen extent -3.4,-2.5 2.5,2.5, body extent -2.5,-2.5 2.5,2.5, height 1
QFN_01MB-TXQT_PI [mil]
  rect 18x14 smd: 1(-102.5,76.77) 2(-102.5,51.18) 3(-102.5,25.59) 4(-102.5,0) 5(-102.5,-25.59) 6(-102.5,-51.18) 7(-102.5,-76.77) 15(102.5,-76.77) 16(102.5,-51.18) 17(102.5,-25.59) 18(102.5,0) 19(102.5,25.59) 20(102.5,51.18) 21(102.5,76.77)
  rect 14x18 smd: 8(-76.77,-102.5) 9(-51.18,-102.5) 10(-25.59,-102.5) 11(0,-102.5) 12(25.59,-102.5) 13(51.18,-102.5) 14(76.77,-102.5) 22(76.77,102.5) 23(51.18,102.5) 24(25.59,102.5) 25(0,102.5) 26(-25.59,102.5) 27(-51.18,102.5) 28(-76.77,102.5)
  rect 118x98 smd: 29(0,0)
  silkscreen extent -125,-125 125,125, body extent -118,-118 118,118, height 93
SMT_PAD [mm]
  round 0.8 smd paste-0.635: 1(0,0)
SOIC_128JVSIQ_WI [mil]
  rect 60x21 smd: 1(-143.5,75) 2(-143.5,25) 3(-143.5,-25) 4(-143.5,-75) 5(143.5,-75) 6(143.5,-25) 7(143.5,25) 8(143.5,75)
  silkscreen extent -110,-110 110,110, body extent -159,-105 160,105, height 85
SOP65P640X120-24N [mm]
  rrect25% 1.57x0.41 smd: 1(-2.87,3.575) 2(-2.87,2.925) 3(-2.87,2.275) 4(-2.87,1.625) 5(-2.87,0.975) 6(-2.87,0.325) 7(-2.87,-0.325) 8(-2.87,-0.975) 9(-2.87,-1.625) 10(-2.87,-2.275) 11(-2.87,-2.925) 12(-2.87,-3.575) 13(2.87,-3.575) 14(2.87,-2.925) 15(2.87,-2.275) 16(2.87,-1.625) 17(2.87,-0.975) 18(2.87,-0.325) 19(2.87,0.325) 20(2.87,0.975) 21(2.87,1.625) 22(2.87,2.275) 23(2.87,2.925) 24(2.87,3.575)
  silkscreen extent -4.54,-4.1 2.2,4.1, body extent -3.2,-3.9 3.2,3.9, height 1.2
SOP127P600X175-9N [mm]
  rrect25% 1.97x0.6 smd: 1(-2.475,1.905) 2(-2.475,0.635) 3(-2.475,-0.635) 4(-2.475,-1.905) 5(2.475,-1.905) 6(2.475,-0.635) 7(2.475,0.635) 8(2.475,1.905)
  rect 2.413x3.302 smd paste-3: 9(0,0)
  silkscreen extent -2.89,-2.55 2,2.77, body extent -3.05,-2.45 2.95,2.45, height 1.7
SOT65P210X110-6N [mm]
  rect 1.05x0.4 smd: 1(-0.95,0.65) 2(-0.95,0) 3(-0.95,-0.65) 4(0.95,-0.65) 5(0.95,0) 6(0.95,0.65)
  silkscreen extent -1.48,-1 0.08,1.2, body extent -1.05,-1 1.05,1, height 1.1
SOT95P237X112-3N [mm]
  rect 1.3x0.6 smd: 1(-1.05,0.95) 2(-1.05,-0.95) 3(1.05,0)
  silkscreen extent -1.7,-1.46 0.05,1.5, body extent -1.18,-1.46 1.19,1.46, height 1.12
SOT95P280X125-5N [mm]
  rect 1.2x0.55 smd: 1(-1.25,0.95) 2(-1.25,0) 3(-1.25,-0.95) 4(1.25,-0.95) 5(1.25,0.95)
  silkscreen extent -1.85,-1.46 0.3,1.48, body extent -1.4,-1.46 1.4,1.46, height 1.25
SOTFL95P240X88-3N [mm]
  rect 0.575x0.62 smd: 1(-1.188,0.95) 2(-1.188,-0.95) 3(1.188,0)
  silkscreen extent -1.48,-1.45 0.55,1.51, body extent -1.2,-1.45 1.2,1.45, height 0.88
"ToF Pads" [mil]
  rect 94x30 smd: 1(-71.75,75.39) 1(71.95,75.39) 2(-71.75,25.39) 2(71.95,25.39) 3(-71.75,-24.61) 3(71.95,-24.61) 4(-71.75,-74.61) 4(71.95,-74.61)
TRANS_DMP2002UPS-13 [mm]
  rect 1.27x0.61 smd: 1(-2.67,1.905) 2(-2.67,0.635) 3(-2.67,-0.635) 4(-2.67,-1.905)
  rect 0.5x0.5 smd paste+0.855 mask+0: 5_8(0.535,0)
  Top Layer region: 3.305,1.6 2.595,1.6 2.595,0.94 3.305,0.94 3.305,0.33 2.595,0.33 2.595,-0.33 3.305,-0.33 3.305,-0.94 2.595,-0.94 2.595,-1.6 3.305,-1.6 3.305,-2.21 2.285,-2.21 2.285,-1.955 -1.215,-1.955 -1.215,1.955 2.285,1.955 2.285,2.21 3.305,2.21
  silkscreen extent -3.9,-2.53 2.9,2.53, body extent -3.07,-2.58 3.07,2.58, height 1.09
UFQFPN32-5X5MM [mil]
  rect 24x12 smd: 1(-92.52,68.92) 2(-92.52,49.22) 3(-92.52,29.54) 4(-92.52,9.85) 5(-92.52,-9.85) 6(-92.52,-29.54) 7(-92.52,-49.22) 8(-92.52,-68.92) 17(92.52,-68.92) 18(92.52,-49.22) 19(92.52,-29.54) 20(92.52,-9.85) 21(92.52,9.85) 22(92.52,29.54) 23(92.52,49.22) 24(92.52,68.92)
  rect 12x24 smd: 9(-68.92,-92.52) 10(-49.22,-92.52) 11(-29.53,-92.52) 12(-9.84,-92.52) 13(9.85,-92.52) 14(29.53,-92.52) 15(49.22,-92.52) 16(68.92,-92.52) 25(68.92,92.52) 26(49.22,92.52) 27(29.53,92.52) 28(9.85,92.52) 29(-9.84,92.52) 30(-29.53,92.52) 31(-49.22,92.52) 32(-68.92,92.52)
  rect 136x136 smd: 33(0,0)
  silkscreen extent -116,-116 116,116, body extent -103,-103 103,103, height 22
VL53L1X [mm]
  rect 0.5x0.5 smd: 1(0.8,1.6) 2(0.8,0.8) 3(0.8,0) 4(0.8,-0.8) 5(0.8,-1.6) 6(0,-1.6) 7(-0.8,-1.6) 8(-0.8,-0.8) 9(-0.8,0) 10(-0.8,0.8) 11(-0.8,1.6) 12(0,1.6)
  rect 0.25x0.08 smd: 13(0.675,1.89)
  silkscreen extent -1.25,-2.4 1.9,2.45, body extent -1.25,-2.45 1.25,2.45, height 1.55
XCVR_DWM1000 [mm]
  rect 2.45x1 smd: 1(-6.4,1.8) 2(-6.4,0.4) 3(-6.4,-1) 4(-6.4,-2.4) 5(-6.4,-3.8) 6(-6.4,-5.2) 7(-6.4,-6.6) 8(-6.4,-8) 17(6.4,-8) 18(6.4,-6.6) 19(6.4,-5.2) 20(6.4,-3.8) 21(6.4,-2.4) 22(6.4,-1) 23(6.4,0.4) 24(6.4,1.8)
  rect 1x2.45 smd: 9(-4.9,-10.295) 10(-3.5,-10.295) 11(-2.1,-10.295) 12(-0.7,-10.295) 13(0.7,-10.295) 14(2.1,-10.295) 15(3.5,-10.295) 16(4.9,-10.295)
  body extent -6.6,-10.48 6.6,12.52, height 3.15